# KiCad board oibus-mini-CCC_PANEL.kicad_pcb (continued)
## Routing (per net, layer and track width the routed paths; a pad name or vN(x,y) marks a point on that pad's centre or on a via; arc(x,y) is an arc through that point) (continued)
Net-(D3-Pad2): length 76.9
  Top w0.2: R3#2.2 46.08,8.72 D3#2.2 ; R3#4.2 83.08,8.72 D3#3.2 ; R3#3.2 120.08,8.72 D3#4.2 ; R3#6.2 157.07,8.72 D3#6.2 ; R3#5.2 194.07,8.72 D3#5.2 ; R3#8.2 231.07,8.72 D3#8.2 ; R3#7.2 268.07,8.72 D3#7.2 ; R3#10.2 9.07,74.72 D3#9.2 ; R3#14.2 83.08,74.72 D3#12.2 ; R3#9.2 46.08,74.72 D3#11.2 ; R3#13.2 120.08,74.72 D3#10.2 ; R3#12.2 157.07,74.72 D3#14.2 ; R3#11.2 194.07,74.72 D3#13.2 ; R3#16.2 231.07,74.72 D3#16.2 ; R3#15.2 268.07,74.72 D3#15.2 ; R3#24.2 9.07,206.72 D3#23.2 ; R3#30.2 83.08,206.72 D3#28.2 ; R3#21.2 46.08,206.72 D3#27.2 ; R3#29.2 120.08,206.72 D3#26.2 ; R3#28.2 157.07,206.72 D3#30.2 ; R3#18.2 9.07,140.72 D3#17.2 ; R3#23.2 83.08,140.72 D3#20.2 ; R3#17.2 46.08,140.72 D3#19.2 ; R3#22.2 120.08,140.72 D3#18.2 ; R3#20.2 157.07,140.72 D3#22.2 ; R3#19.2 194.07,140.72 D3#21.2 ; R3#26.2 231.07,140.72 D3#25.2 ; R3#25.2 268.07,140.72 D3#24.2 ; R3#27.2 194.07,206.72 D3#29.2 ; R3#32.2 231.07,206.72 D3#32.2 ; R3#31.2 268.07,206.72 D3#31.2 ; D3.2 9.07,8.72 R3.2
Net-(D4-Pad1): length 45.6
  Top w0.2: R8#2.1 D4#2.1 ; R8#3.1 D4#3.1 ; R8#4.1 D4#4.1 ; R8#6.1 D4#6.1 ; R8#5.1 D4#5.1 ; R8#7.1 D4#7.1 ; R8#8.1 D4#8.1 ; R8#9.1 D4#9.1 ; R8#13.1 D4#13.1 ; R8#12.1 D4#12.1 ; R8#11.1 D4#11.1 ; R8#10.1 D4#10.1 ; R8#14.1 D4#14.1 ; R8#15.1 D4#15.1 ; R8#16.1 D4#16.1 ; R8#23.1 D4#23.1 ; R8#29.1 D4#29.1 ; R8#28.1 D4#28.1 ; R8#27.1 D4#27.1 ; R8#26.1 D4#26.1 ; R8#17.1 D4#17.1 ; R8#21.1 D4#21.1 ; R8#20.1 D4#20.1 ; R8#19.1 D4#19.1 ; R8#18.1 D4#18.1 ; R8#22.1 D4#22.1 ; R8#24.1 D4#24.1 ; R8#25.1 D4#25.1 ; R8#30.1 D4#30.1 ; R8#31.1 D4#31.1 ; R8#32.1 D4#32.1 ; R8.1 D4.1
Net-(D5-Pad2): length 60.8
  Top w0.2: R9#2.2 D5#2.2 ; R9#3.2 D5#3.2 ; R9#4.2 D5#4.2 ; R9#6.2 D5#6.2 ; R9#5.2 D5#5.2 ; R9#7.2 D5#7.2 ; R9#8.2 D5#8.2 ; R9#9.2 D5#9.2 ; R9#13.2 D5#13.2 ; R9#12.2 D5#12.2 ; R9#11.2 D5#11.2 ; R9#10.2 D5#10.2 ; R9#14.2 D5#14.2 ; R9#16.2 D5#16.2 ; R9#15.2 D5#15.2 ; R9#23.2 D5#23.2 ; R9#29.2 D5#29.2 ; R9#28.2 D5#28.2 ; R9#27.2 D5#27.2 ; R9#26.2 D5#26.2 ; R9#17.2 D5#17.2 ; R9#21.2 D5#21.2 ; R9#20.2 D5#20.2 ; R9#19.2 D5#19.2 ; R9#18.2 D5#18.2 ; R9#22.2 D5#22.2 ; R9#25.2 D5#25.2 ; R9#24.2 D5#24.2 ; R9#30.2 D5#30.2 ; R9#31.2 D5#31.2 ; R9#32.2 D5#32.2 ; R9.2 D5.2
Net-(D7-Pad1): length 67.3
  Top w0.2: D7#2.1 72.8,52.86 72.8,54.82 ; D7#3.1 109.8,52.86 109.8,54.82 ; D7#4.1 146.8,52.86 146.8,54.82 ; D7#5.1 183.8,52.86 183.8,54.82 ; D7#6.1 220.8,52.86 220.8,54.82 ; D7#8.1 257.8,52.86 257.8,54.82 ; D7#7.1 294.8,52.86 294.8,54.82 ; D7#9.1 35.8,118.86 35.8,120.82 ; D7#11.1 109.8,118.86 109.8,120.82 ; D7#13.1 72.8,118.86 72.8,120.82 ; D7#12.1 146.8,118.86 146.8,120.82 ; D7#14.1 183.8,118.86 183.8,120.82 ; D7#10.1 220.8,118.86 220.8,120.82 ; D7#16.1 257.8,118.86 257.8,120.82 ; D7#15.1 294.8,118.86 294.8,120.82 ; D7#23.1 35.8,250.86 35.8,252.82 ; D7#27.1 109.8,250.86 109.8,252.82 ; D7#29.1 72.8,250.86 72.8,252.82 ; D7#28.1 146.8,250.86 146.8,252.82 ; D7#30.1 183.8,250.86 183.8,252.82 ; D7#17.1 35.8,184.86 35.8,186.82 ; D7#19.1 109.8,184.86 109.8,186.82 ; D7#21.1 72.8,184.86 72.8,186.82 ; D7#20.1 146.8,184.86 146.8,186.82 ; D7#22.1 183.8,184.86 183.8,186.82 ; D7#18.1 220.8,184.86 220.8,186.82 ; D7#25.1 257.8,184.86 257.8,186.82 ; D7#24.1 294.8,184.86 294.8,186.82 ; D7#26.1 220.8,250.86 220.8,252.82 ; D7#32.1 257.8,250.86 257.8,252.82 ; D7#31.1 294.8,250.86 294.8,252.82 ; D7.1 35.8,52.86 35.8,54.82
Net-(D7-Pad2): length 67.3
  Top w0.2: D7#2.2 71.4,52.86 R16#2.2 ; D7#3.2 108.4,52.86 R16#3.2 ; D7#4.2 145.4,52.86 R16#4.2 ; D7#5.2 182.4,52.86 R16#5.2 ; D7#6.2 219.4,52.86 R16#6.2 ; D7#8.2 256.4,52.86 R16#8.2 ; D7#7.2 293.4,52.86 R16#7.2 ; D7#9.2 34.4,118.86 R16#9.2 ; D7#11.2 108.4,118.86 R16#11.2 ; D7#13.2 71.4,118.86 R16#13.2 ; D7#12.2 145.4,118.86 R16#12.2 ; D7#14.2 182.4,118.86 R16#14.2 ; D7#10.2 219.4,118.86 R16#10.2 ; D7#16.2 256.4,118.86 R16#16.2 ; D7#15.2 293.4,118.86 R16#15.2 ; D7#23.2 34.4,250.86 R16#24.2 ; D7#27.2 108.4,250.86 R16#27.2 ; D7#29.2 71.4,250.86 R16#29.2 ; D7#30.2 182.4,250.86 R16#30.2 ; D7#28.2 145.4,250.86 R16#28.2 ; D7#17.2 34.4,184.86 R16#17.2 ; D7#19.2 108.4,184.86 R16#19.2 ; D7#21.2 71.4,184.86 R16#21.2 ; D7#20.2 145.4,184.86 R16#20.2 ; D7#22.2 182.4,184.86 R16#22.2 ; D7#18.2 219.4,184.86 R16#18.2 ; D7#25.2 256.4,184.86 R16#25.2 ; D7#24.2 293.4,184.86 R16#23.2 ; D7#26.2 219.4,250.86 R16#26.2 ; D7#32.2 256.4,250.86 R16#32.2 ; D7#31.2 293.4,250.86 R16#31.2 ; R16.2 34.4,52.86 D7.2
Net-(D7-Pad3): length 72.4
  Top w0.2: R15#2.2 71.3,47.72 D7#2.3 ; R15#3.2 108.3,47.72 D7#3.3 ; R15#4.2 145.3,47.72 D7#4.3 ; R15#5.2 182.3,47.72 D7#5.3 ; R15#6.2 219.3,47.72 D7#6.3 ; R15#8.2 256.3,47.72 D7#8.3 ; R15#7.2 293.3,47.72 D7#7.3 ; R15#9.2 34.3,113.72 D7#9.3 ; R15#11.2 108.3,113.72 D7#11.3 ; R15#13.2 71.3,113.72 D7#13.3 ; R15#12.2 145.3,113.72 D7#12.3 ; R15#14.2 182.3,113.72 D7#14.3 ; R15#10.2 219.3,113.72 D7#10.3 ; R15#16.2 256.3,113.72 D7#16.3 ; R15#15.2 293.3,113.72 D7#15.3 ; R15#24.2 34.3,245.72 D7#23.3 ; R15#27.2 108.3,245.72 D7#27.3 ; R15#29.2 71.3,245.72 D7#29.3 ; R15#30.2 182.3,245.72 D7#30.3 ; R15#28.2 145.3,245.72 D7#28.3 ; R15#17.2 34.3,179.72 D7#17.3 ; R15#19.2 108.3,179.72 D7#19.3 ; R15#21.2 71.3,179.72 D7#21.3 ; R15#20.2 145.3,179.72 D7#20.3 ; R15#22.2 182.3,179.72 D7#22.3 ; R15#18.2 219.3,179.72 D7#18.3 ; R15#25.2 256.3,179.72 D7#25.3 ; R15#23.2 293.3,179.72 D7#24.3 ; R15#26.2 219.3,245.72 D7#26.3 ; R15#32.2 256.3,245.72 D7#32.3 ; R15#31.2 293.3,245.72 D7#31.3 ; R15.2 34.3,47.72 D7.3
Net-(FB1-Pad2): length 68.9
  Top w0.2: U2#2.14 46.6,34.01 FB1#2.2 ; U2#3.14 83.6,34.01 FB1#3.2 ; U2#4.14 120.6,34.01 FB1#4.2 ; U2#6.14 157.6,34.01 FB1#6.2 ; U2#5.14 194.6,34.01 FB1#5.2 ; U2#7.14 231.6,34.01 FB1#7.2 ; U2#8.14 268.6,34.01 FB1#8.2 ; U2#9.14 9.6,100.01 FB1#9.2 ; U2#13.14 83.6,100.01 FB1#12.2 ; U2#12.14 46.6,100.01 FB1#13.2 ; U2#11.14 120.6,100.01 FB1#11.2 ; U2#10.14 157.6,100.01 FB1#10.2 ; U2#14.14 194.6,100.01 FB1#14.2 ; U2#16.14 268.6,100.01 FB1#16.2 ; U2#15.14 231.6,100.01 FB1#15.2 ; U2#23.14 9.6,232.01 FB1#24.2 ; U2#29.14 83.6,232.01 FB1#28.2 ; U2#28.14 46.6,232.01 FB1#29.2 ; U2#27.14 120.6,232.01 FB1#27.2 ; U2#26.14 157.6,232.01 FB1#26.2 ; U2#17.14 9.6,166.01 FB1#17.2 ; U2#21.14 83.6,166.01 FB1#20.2 ; U2#20.14 46.6,166.01 FB1#21.2 ; U2#19.14 120.6,166.01 FB1#19.2 ; U2#18.14 157.6,166.01 FB1#18.2 ; U2#22.14 194.6,166.01 FB1#22.2 ; U2#25.14 268.6,166.01 FB1#25.2 ; U2#24.14 231.6,166.01 FB1#23.2 ; U2#30.14 194.6,232.01 FB1#30.2 ; U2#31.14 231.6,232.01 FB1#31.2 ; U2#32.14 268.6,232.01 FB1#32.2 ; U2.14 9.6,34.01 FB1.2
Net-(FB2-Pad2): length 68
  Top w0.2: FB2#2.2 U2#2.13 ; FB2#3.2 U2#3.13 ; FB2#4.2 U2#4.13 ; FB2#6.2 U2#6.13 ; FB2#5.2 U2#5.13 ; FB2#8.2 U2#7.13 ; FB2#7.2 U2#8.13 ; FB2#9.2 U2#9.13 ; FB2#11.2 U2#13.13 ; FB2#12.2 U2#12.13 ; FB2#10.2 U2#11.13 ; FB2#14.2 U2#10.13 ; FB2#13.2 U2#14.13 ; FB2#15.2 U2#16.13 ; FB2#16.2 U2#15.13 ; FB2#23.2 U2#23.13 ; FB2#27.2 U2#29.13 ; FB2#28.2 U2#28.13 ; FB2#26.2 U2#27.13 ; FB2#30.2 U2#26.13 ; FB2#17.2 U2#17.13 ; FB2#19.2 U2#21.13 ; FB2#20.2 U2#20.13 ; FB2#18.2 U2#19.13 ; FB2#22.2 U2#18.13 ; FB2#21.2 U2#22.13 ; FB2#24.2 U2#25.13 ; FB2#25.2 U2#24.13 ; FB2#29.2 U2#30.13 ; FB2#32.2 U2#31.13 ; FB2#31.2 U2#32.13 ; FB2.2 U2.13
Net-(J3-Pad1): length 70.8
  Top w0.8: J3#2.1 R21#2.1 ; J3#3.1 R21#3.1 ; J3#4.1 R21#4.1 ; J3#5.1 R21#5.1 ; J3#6.1 R21#6.1 ; J3#8.1 R21#8.1 ; J3#7.1 R21#7.1 ; J3#9.1 R21#9.1 ; J3#11.1 R21#11.1 ; J3#13.1 R21#13.1 ; J3#12.1 R21#12.1 ; J3#14.1 R21#14.1 ; J3#10.1 R21#10.1 ; J3#16.1 R21#16.1 ; J3#15.1 R21#15.1 ; J3#23.1 R21#23.1 ; J3#27.1 R21#27.1 ; J3#29.1 R21#29.1 ; J3#28.1 R21#28.1 ; J3#30.1 R21#30.1 ; J3#17.1 R21#17.1 ; J3#19.1 R21#19.1 ; J3#21.1 R21#21.1 ; J3#20.1 R21#20.1 ; J3#22.1 R21#22.1 ; J3#18.1 R21#18.1 ; J3#25.1 R21#25.1 ; J3#24.1 R21#24.1 ; J3#26.1 R21#26.1 ; J3#32.1 R21#32.1 ; J3#31.1 R21#31.1 ; J3.1 R21.1
Net-(J4-Pad1): length 124.4
  Top w0.2: v2(66.14,50.64) 66,50.5 U3#2.29 ; v2(103.14,50.64) 103,50.5 U3#3.29 ; v2(140.14,50.64) 140,50.5 U3#4.29 ; v2(177.14,50.64) 177,50.5 U3#6.29 ; v2(214.14,50.64) 214,50.5 U3#5.29 ; v2(251.14,50.64) 251,50.5 U3#8.29 ; v2(288.14,50.64) 288,50.5 U3#7.29 ; v2(103.14,116.64) 103,116.5 U3#11.29 ; v2(29.14,116.64) 29,116.5 U3#9.29 ; v2(66.14,116.64) 66,116.5 U3#12.29 ; v2(177.14,116.64) 177,116.5 U3#14.29 ; v2(140.14,116.64) 140,116.5 U3#10.29 ; v2(214.14,116.64) 214,116.5 U3#13.29 ; v2(251.14,116.64) 251,116.5 U3#16.29 ; v2(288.14,116.64) 288,116.5 U3#15.29 ; v2(103.14,248.64) 103,248.5 U3#27.29 ; v2(29.14,248.64) 29,248.5 U3#23.29 ; v2(66.14,248.64) 66,248.5 U3#28.29 ; v2(177.14,248.64) 177,248.5 U3#30.29 ; v2(140.14,248.64) 140,248.5 U3#26.29 ; v2(103.14,182.64) 103,182.5 U3#19.29 ; v2(29.14,182.64) 29,182.5 U3#17.29 ; v2(66.14,182.64) 66,182.5 U3#20.29 ; v2(177.14,182.64) 177,182.5 U3#22.29 ; v2(140.14,182.64) 140,182.5 U3#18.29 ; v2(214.14,182.64) 214,182.5 U3#21.29 ; v2(251.14,182.64) 251,182.5 U3#25.29 ; v2(288.14,182.64) 288,182.5 U3#24.29 ; v2(214.14,248.64) 214,248.5 U3#29.29 ; v2(251.14,248.64) 251,248.5 U3#32.29 ; v2(288.14,248.64) 288,248.5 U3#31.29 ; U3.29 29,50.5 v2(29.14,50.64)
  Bottom w0.2: v2(66.14,50.64) 66.14,51.59 66.15,51.61 NFC#2.1 ; v2(103.14,50.64) 103.14,51.59 103.15,51.61 NFC#3.1 ; v2(140.14,50.64) 140.14,51.59 140.15,51.61 NFC#4.1 ; v2(177.14,50.64) 177.14,51.59 177.15,51.61 NFC#5.1 ; v2(214.14,50.64) 214.14,51.59 214.15,51.61 NFC#6.1 ; v2(251.14,50.64) 251.14,51.59 251.15,51.61 NFC#8.1 ; v2(288.14,50.64) 288.14,51.59 288.15,51.61 NFC#7.1 ; v2(103.14,116.64) 103.14,117.59 103.15,117.61 NFC#11.1 ; v2(29.14,116.64) 29.14,117.59 29.15,117.61 NFC#9.1 ; v2(66.14,116.64) 66.14,117.59 66.15,117.61 NFC#13.1 ; v2(177.14,116.64) 177.14,117.59 177.15,117.61 NFC#14.1 ; v2(140.14,116.64) 140.14,117.59 140.15,117.61 NFC#12.1 ; v2(214.14,116.64) 214.14,117.59 214.15,117.61 NFC#10.1 ; v2(251.14,116.64) 251.14,117.59 251.15,117.61 NFC#16.1 ; v2(288.14,116.64) 288.14,117.59 288.15,117.61 NFC#15.1 ; v2(103.14,248.64) 103.14,249.59 103.15,249.61 NFC#27.1 ; v2(29.14,248.64) 29.14,249.59 29.15,249.61 NFC#24.1 ; v2(66.14,248.64) 66.14,249.59 66.15,249.61 NFC#29.1 ; v2(177.14,248.64) 177.14,249.59 177.15,249.61 NFC#30.1 ; v2(140.14,248.64) 140.14,249.59 140.15,249.61 NFC#28.1 ; v2(103.14,182.64) 103.14,183.59 103.15,183.61 NFC#19.1 ; v2(29.14,182.64) 29.14,183.59 29.15,183.61 NFC#17.1 ; v2(66.14,182.64) 66.14,183.59 66.15,183.61 NFC#21.1 ; v2(177.14,182.64) 177.14,183.59 177.15,183.61 NFC#22.1 ; v2(140.14,182.64) 140.14,183.59 140.15,183.61 NFC#20.1 ; v2(214.14,182.64) 214.14,183.59 214.15,183.61 NFC#18.1 ; v2(251.14,182.64) 251.14,183.59 251.15,183.61 NFC#25.1 ; v2(288.14,182.64) 288.14,183.59 288.15,183.61 NFC#23.1 ; v2(214.14,248.64) 214.14,249.59 214.15,249.61 NFC#26.1 ; v2(251.14,248.64) 251.14,249.59 251.15,249.61 NFC#32.1 ; v2(288.14,248.64) 288.14,249.59 288.15,249.61 NFC#31.1 ; v2(29.14,50.64) 29.14,51.59 29.15,51.61 NFC.1
Net-(J4-Pad2): length 137.2
  Top w0.2: U3#2.28 65,50.81 65,50.76 v2(64.85,50.61) ; U3#3.28 102,50.81 102,50.76 v2(101.85,50.61) ; U3#4.28 139,50.81 139,50.76 v2(138.85,50.61) ; U3#6.28 176,50.81 176,50.76 v2(175.85,50.61) ; U3#5.28 213,50.81 213,50.76 v2(212.85,50.61) ; U3#8.28 250,50.81 250,50.76 v2(249.85,50.61) ; U3#7.28 287,50.81 287,50.76 v2(286.85,50.61) ; U3#11.28 102,116.81 102,116.76 v2(101.85,116.61) ; U3#9.28 28,116.81 28,116.76 v2(27.85,116.61) ; U3#12.28 65,116.81 65,116.76 v2(64.85,116.61) ; U3#14.28 176,116.81 176,116.76 v2(175.85,116.61) ; U3#10.28 139,116.81 139,116.76 v2(138.85,116.61) ; U3#13.28 213,116.81 213,116.76 v2(212.85,116.61) ; U3#16.28 250,116.81 250,116.76 v2(249.85,116.61) ; U3#15.28 287,116.81 287,116.76 v2(286.85,116.61) ; U3#27.28 102,248.81 102,248.76 v2(101.85,248.61) ; U3#23.28 28,248.81 28,248.76 v2(27.85,248.61) ; U3#28.28 65,248.81 65,248.76 v2(64.85,248.61) ; U3#30.28 176,248.81 176,248.76 v2(175.85,248.61) ; U3#26.28 139,248.81 139,248.76 v2(138.85,248.61) ; U3#19.28 102,182.81 102,182.76 v2(101.85,182.61) ; U3#17.28 28,182.81 28,182.76 v2(27.85,182.61) ; U3#20.28 65,182.81 65,182.76 v2(64.85,182.61) ; U3#22.28 176,182.81 176,182.76 v2(175.85,182.61) ; U3#18.28 139,182.81 139,182.76 v2(138.85,182.61) ; U3#21.28 213,182.81 213,182.76 v2(212.85,182.61) ; U3#25.28 250,182.81 250,182.76 v2(249.85,182.61) ; U3#24.28 287,182.81 287,182.76 v2(286.85,182.61) ; U3#29.28 213,248.81 213,248.76 v2(212.85,248.61) ; U3#32.28 250,248.81 250,248.76 v2(249.85,248.61) ; U3#31.28 287,248.81 287,248.76 v2(286.85,248.61) ; v2(27.85,50.61) 28,50.76 28,50.81 U3.28
  Bottom w0.2: v2(64.85,50.61) NFC#2.2 ; v2(101.85,50.61) NFC#3.2 ; v2(138.85,50.61) NFC#4.2 ; v2(175.85,50.61) NFC#5.2 ; v2(212.85,50.61) NFC#6.2 ; v2(249.85,50.61) NFC#8.2 ; NFC#7.2 v2(286.85,50.61) ; v2(101.85,116.61) NFC#11.2 ; v2(27.85,116.61) NFC#9.2 ; v2(64.85,116.61) NFC#13.2 ; v2(138.85,116.61) NFC#12.2 ; v2(175.85,116.61) NFC#14.2 ; NFC#10.2 v2(212.85,116.61) ; v2(249.85,116.61) NFC#16.2 ; NFC#15.2 v2(286.85,116.61) ; v2(101.85,248.61) NFC#27.2 ; v2(27.85,248.61) NFC#24.2 ; v2(138.85,248.61) NFC#28.2 ; v2(64.85,248.61) NFC#29.2 ; v2(175.85,248.61) NFC#30.2 ; v2(101.85,182.61) NFC#19.2 ; v2(27.85,182.61) NFC#17.2 ; v2(64.85,182.61) NFC#21.2 ; v2(138.85,182.61) NFC#20.2 ; v2(175.85,182.61) NFC#22.2 ; NFC#18.2 v2(212.85,182.61) ; v2(249.85,182.61) NFC#25.2 ; NFC#23.2 v2(286.85,182.61) ; v2(212.85,248.61) NFC#26.2 ; NFC#31.2 v2(286.85,248.61) ; v2(249.85,248.61) NFC#32.2 ; v2(27.85,50.61) NFC.2
Net-(L1-Pad2): length 106.3
  Top w0.5: L1#2.2 57,22.26 U5#2.1 ; L1#3.2 94,22.26 U5#3.1 ; L1#4.2 131,22.26 U5#4.1 ; L1#6.2 168,22.26 U5#5.1 ; L1#5.2 205,22.26 U5#6.1 ; L1#8.2 242,22.26 U5#8.1 ; L1#7.2 279,22.26 U5#7.1 ; L1#9.2 20,88.26 U5#9.1 ; L1#11.2 94,88.26 U5#11.1 ; L1#12.2 57,88.26 U5#13.1 ; L1#10.2 131,88.26 U5#12.1 ; L1#14.2 168,88.26 U5#14.1 ; L1#13.2 205,88.26 U5#10.1 ; L1#16.2 242,88.26 U5#16.1 ; L1#15.2 279,88.26 U5#15.1 ; L1#23.2 20,220.26 U5#24.1 ; L1#27.2 94,220.26 U5#27.1 ; L1#28.2 57,220.26 U5#29.1 ; L1#26.2 131,220.26 U5#28.1 ; L1#30.2 168,220.26 U5#30.1 ; L1#17.2 20,154.26 U5#17.1 ; L1#19.2 94,154.26 U5#19.1 ; L1#20.2 57,154.26 U5#21.1 ; L1#18.2 131,154.26 U5#20.1 ; L1#22.2 168,154.26 U5#22.1 ; L1#21.2 205,154.26 U5#18.1 ; L1#25.2 242,154.26 U5#25.1 ; L1#24.2 279,154.26 U5#23.1 ; L1#29.2 205,220.26 U5#26.1 ; L1#32.2 242,220.26 U5#32.1 ; L1#31.2 279,220.26 U5#31.1 ; L1.2 20,22.26 U5.1
Net-(Q2-Pad1): length 57.8
  Top w0.2: Q2#2.1 48.95,2.51 50.05,2.51 ; Q2#3.1 85.95,2.51 87.05,2.51 ; Q2#4.1 122.95,2.51 124.05,2.51 ; Q2#5.1 159.95,2.51 161.05,2.51 ; Q2#6.1 196.95,2.51 198.05,2.51 ; Q2#8.1 233.95,2.51 235.05,2.51 ; Q2#7.1 270.95,2.51 272.05,2.51 ; Q2#11.1 85.95,68.51 87.05,68.51 ; Q2#9.1 11.95,68.51 13.05,68.51 ; Q2#13.1 48.95,68.51 50.05,68.51 ; Q2#12.1 122.95,68.51 124.05,68.51 ; Q2#14.1 159.95,68.51 161.05,68.51 ; Q2#10.1 196.95,68.51 198.05,68.51 ; Q2#16.1 233.95,68.51 235.05,68.51 ; Q2#15.1 270.95,68.51 272.05,68.51 ; Q2#27.1 85.95,200.51 87.05,200.51 ; Q2#23.1 11.95,200.51 13.05,200.51 ; Q2#28.1 122.95,200.51 124.05,200.51 ; Q2#29.1 48.95,200.51 50.05,200.51 ; Q2#30.1 159.95,200.51 161.05,200.51 ; Q2#19.1 85.95,134.51 87.05,134.51 ; Q2#17.1 11.95,134.51 13.05,134.51 ; Q2#21.1 48.95,134.51 50.05,134.51 ; Q2#20.1 122.95,134.51 124.05,134.51 ; Q2#22.1 159.95,134.51 161.05,134.51 ; Q2#18.1 196.95,134.51 198.05,134.51 ; Q2#25.1 233.95,134.51 235.05,134.51 ; Q2#24.1 270.95,134.51 272.05,134.51 ; Q2#26.1 196.95,200.51 198.05,200.51 ; Q2#31.1 270.95,200.51 272.05,200.51 ; Q2#32.1 233.95,200.51 235.05,200.51 ; Q2.1 11.95,2.51 13.05,2.51
Net-(Q2-Pad3): length 287.2
  Top w0.6: v4(54.97,1.67) 55.92,1.67 Q3#2.3 ; v4(49.4,0.81) 49.2,1.01 Q2#2.3 ; v4(91.97,1.67) 92.92,1.67 Q3#3.3 ; v4(86.4,0.81) 86.2,1.01 Q2#3.3 ; v4(128.97,1.67) 129.92,1.67 Q3#4.3 ; v4(123.4,0.81) 123.2,1.01 Q2#4.3 ; v4(165.97,1.67) 166.92,1.67 Q3#5.3 ; v4(160.4,0.81) 160.2,1.01 Q2#5.3 ; v4(202.97,1.67) 203.92,1.67 Q3#6.3 ; v4(197.4,0.81) 197.2,1.01 Q2#6.3 ; v4(239.97,1.67) 240.92,1.67 Q3#8.3 ; v4(234.4,0.81) 234.2,1.01 Q2#8.3 ; v4(276.97,1.67) 277.92,1.67 Q3#7.3 ; v4(271.4,0.81) 271.2,1.01 Q2#7.3 ; v4(91.97,67.67) 92.92,67.67 Q3#11.3 ; v4(86.4,66.81) 86.2,67.01 Q2#11.3 ; v4(17.97,67.67) 18.92,67.67 Q3#9.3 ; v4(12.4,66.81) 12.2,67.01 Q2#9.3 ; v4(54.97,67.67) 55.92,67.67 Q3#13.3 ; v4(49.4,66.81) 49.2,67.01 Q2#13.3 ; v4(128.97,67.67) 129.92,67.67 Q3#12.3 ; v4(123.4,66.81) 123.2,67.01 Q2#12.3 ; v4(165.97,67.67) 166.92,67.67 Q3#14.3 ; v4(160.4,66.81) 160.2,67.01 Q2#14.3 ; v4(202.97,67.67) 203.92,67.67 Q3#10.3 ; v4(197.4,66.81) 197.2,67.01 Q2#10.3 ; v4(239.97,67.67) 240.92,67.67 Q3#16.3 ; v4(234.4,66.81) 234.2,67.01 Q2#16.3 ; v4(276.97,67.67) 277.92,67.67 Q3#15.3 ; v4(271.4,66.81) 271.2,67.01 Q2#15.3 ; v4(91.97,199.67) 92.92,199.67 Q3#27.3 ; v4(86.4,198.81) 86.2,199.01 Q2#27.3 ; v4(17.97,199.67) 18.92,199.67 Q3#23.3 ; v4(12.4,198.81) 12.2,199.01 Q2#23.3 ; v4(128.97,199.67) 129.92,199.67 Q3#28.3 ; v4(123.4,198.81) 123.2,199.01 Q2#28.3 ; v4(54.97,199.67) 55.92,199.67 Q3#29.3 ; v4(49.4,198.81) 49.2,199.01 Q2#29.3 ; v4(165.97,199.67) 166.92,199.67 Q3#30.3 ; v4(160.4,198.81) 160.2,199.01 Q2#30.3 ; v4(91.97,133.67) 92.92,133.67 Q3#19.3 ; v4(86.4,132.81) 86.2,133.01 Q2#19.3 ; v4(17.97,133.67) 18.92,133.67 Q3#17.3 ; v4(12.4,132.81) 12.2,133.01 Q2#17.3 ; v4(54.97,133.67) 55.92,133.67 Q3#21.3 ; v4(49.4,132.81) 49.2,133.01 Q2#21.3 ; v4(128.97,133.67) 129.92,133.67 Q3#20.3 ; v4(123.4,132.81) 123.2,133.01 Q2#20.3 ; v4(165.97,133.67) 166.92,133.67 Q3#22.3 ; v4(160.4,132.81) 160.2,133.01 Q2#22.3 ; v4(202.97,133.67) 203.92,133.67 Q3#18.3 ; v4(197.4,132.81) 197.2,133.01 Q2#18.3 ; v4(239.97,133.67) 240.92,133.67 Q3#25.3 ; v4(234.4,132.81) 234.2,133.01 Q2#25.3 ; v4(276.97,133.67) 277.92,133.67 Q3#24.3 ; v4(271.4,132.81) 271.2,133.01 Q2#24.3 ; v4(202.97,199.67) 203.92,199.67 Q3#26.3 ; v4(197.4,198.81) 197.2,199.01 Q2#26.3 ; v4(276.97,199.67) 277.92,199.67 Q3#31.3 ; v4(271.4,198.81) 271.2,199.01 Q2#31.3 ; v4(239.97,199.67) 240.92,199.67 Q3#32.3 ; v4(234.4,198.81) 234.2,199.01 Q2#32.3 ; v4(17.97,1.67) 18.92,1.67 Q3.3 ; v4(12.4,0.81) 12.2,1.01 Q2.3
  Bottom w0.6: v4(49.4,0.81) 54.11,0.81 v4(54.97,1.67) ; v4(86.4,0.81) 91.11,0.81 v4(91.97,1.67) ; v4(123.4,0.81) 128.11,0.81 v4(128.97,1.67) ; v4(160.4,0.81) 165.11,0.81 v4(165.97,1.67) ; v4(197.4,0.81) 202.11,0.81 v4(202.97,1.67) ; v4(234.4,0.81) 239.11,0.81 v4(239.97,1.67) ; v4(271.4,0.81) 276.11,0.81 v4(276.97,1.67) ; v4(86.4,66.81) 91.11,66.81 v4(91.97,67.67) ; v4(12.4,66.81) 17.11,66.81 v4(17.97,67.67) ; v4(49.4,66.81) 54.11,66.81 v4(54.97,67.67) ; v4(123.4,66.81) 128.11,66.81 v4(128.97,67.67) ; v4(160.4,66.81) 165.11,66.81 v4(165.97,67.67) ; v4(197.4,66.81) 202.11,66.81 v4(202.97,67.67) ; v4(234.4,66.81) 239.11,66.81 v4(239.97,67.67) ; v4(271.4,66.81) 276.11,66.81 v4(276.97,67.67) ; v4(86.4,198.81) 91.11,198.81 v4(91.97,199.67) ; v4(12.4,198.81) 17.11,198.81 v4(17.97,199.67) ; v4(123.4,198.81) 128.11,198.81 v4(128.97,199.67) ; v4(49.4,198.81) 54.11,198.81 v4(54.97,199.67) ; v4(160.4,198.81) 165.11,198.81 v4(165.97,199.67) ; v4(86.4,132.81) 91.11,132.81 v4(91.97,133.67) ; v4(12.4,132.81) 17.11,132.81 v4(17.97,133.67) ; v4(49.4,132.81) 54.11,132.81 v4(54.97,133.67) ; v4(123.4,132.81) 128.11,132.81 v4(128.97,133.67) ; v4(160.4,132.81) 165.11,132.81 v4(165.97,133.67) ; v4(197.4,132.81) 202.11,132.81 v4(202.97,133.67) ; v4(234.4,132.81) 239.11,132.81 v4(239.97,133.67) ; v4(271.4,132.81) 276.11,132.81 v4(276.97,133.67) ; v4(197.4,198.81) 202.11,198.81 v4(202.97,199.67) ; v4(271.4,198.81) 276.11,198.81 v4(276.97,199.67) ; v4(234.4,198.81) 239.11,198.81 v4(239.97,199.67) ; v4(12.4,0.81) 17.11,0.81 v4(17.97,1.67)
Net-(Q3-Pad1): length 68.3
  Top w0.2: Q3#2.1 53.8,2.51 51.95,2.51 ; Q3#3.1 90.8,2.51 88.95,2.51 ; Q3#4.1 127.8,2.51 125.95,2.51 ; Q3#5.1 164.8,2.51 162.95,2.51 ; Q3#6.1 201.8,2.51 199.95,2.51 ; Q3#8.1 238.8,2.51 236.95,2.51 ; Q3#7.1 275.8,2.51 273.95,2.51 ; Q3#11.1 90.8,68.51 88.95,68.51 ; Q3#9.1 16.8,68.51 14.95,68.51 ; Q3#13.1 53.8,68.51 51.95,68.51 ; Q3#12.1 127.8,68.51 125.95,68.51 ; Q3#14.1 164.8,68.51 162.95,68.51 ; Q3#10.1 201.8,68.51 199.95,68.51 ; Q3#16.1 238.8,68.51 236.95,68.51 ; Q3#15.1 275.8,68.51 273.95,68.51 ; Q3#27.1 90.8,200.51 88.95,200.51 ; Q3#23.1 16.8,200.51 14.95,200.51 ; Q3#28.1 127.8,200.51 125.95,200.51 ; Q3#29.1 53.8,200.51 51.95,200.51 ; Q3#30.1 164.8,200.51 162.95,200.51 ; Q3#19.1 90.8,134.51 88.95,134.51 ; Q3#17.1 16.8,134.51 14.95,134.51 ; Q3#21.1 53.8,134.51 51.95,134.51 ; Q3#20.1 127.8,134.51 125.95,134.51 ; Q3#22.1 164.8,134.51 162.95,134.51 ; Q3#18.1 201.8,134.51 199.95,134.51 ; Q3#25.1 238.8,134.51 236.95,134.51 ; Q3#24.1 275.8,134.51 273.95,134.51 ; Q3#26.1 201.8,200.51 199.95,200.51 ; Q3#31.1 275.8,200.51 273.95,200.51 ; Q3#32.1 238.8,200.51 236.95,200.51 ; 14.95,2.51 16.8,2.51 Q3.1
Net-(R2-Pad1): length 57.1
  Top w0.4: R2#2.1 53.65,4.82 U4#2.5 ; R2#3.1 90.65,4.82 U4#3.5 ; R2#4.1 127.65,4.82 U4#4.5 ; R2#6.1 164.65,4.82 U4#5.5 ; R2#5.1 201.65,4.82 U4#6.5 ; R2#8.1 238.65,4.82 U4#8.5 ; R2#7.1 275.65,4.82 U4#7.5 ; R2#11.1 90.65,70.82 U4#11.5 ; R2#9.1 16.65,70.82 U4#9.5 ; R2#12.1 53.65,70.82 U4#13.5 ; R2#10.1 127.65,70.82 U4#12.5 ; R2#14.1 164.65,70.82 U4#14.5 ; R2#13.1 201.65,70.82 U4#10.5 ; R2#16.1 238.65,70.82 U4#16.5 ; R2#15.1 275.65,70.82 U4#15.5 ; R2#27.1 90.65,202.82 U4#27.5 ; R2#23.1 16.65,202.82 U4#23.5 ; R2#26.1 127.65,202.82 U4#28.5 ; R2#28.1 53.65,202.82 U4#29.5 ; R2#30.1 164.65,202.82 U4#30.5 ; R2#19.1 90.65,136.82 U4#19.5 ; R2#17.1 16.65,136.82 U4#17.5 ; R2#20.1 53.65,136.82 U4#21.5 ; R2#18.1 127.65,136.82 U4#20.5 ; R2#22.1 164.65,136.82 U4#22.5 ; R2#21.1 201.65,136.82 U4#18.5 ; R2#25.1 238.65,136.82 U4#25.5 ; R2#24.1 275.65,136.82 U4#24.5 ; R2#29.1 201.65,202.82 U4#26.5 ; R2#31.1 275.65,202.82 U4#31.5 ; R2#32.1 238.65,202.82 U4#32.5 ; U4.5 16.65,4.82 R2.1
Net-(R4-Pad2): length 145.8
  Top w0.2: R5#2.1 R4#2.2 50.94,18.95 51.85,19.85 U5#2.4 ; R5#3.1 R4#3.2 87.94,18.95 88.85,19.85 U5#3.4 ; R5#4.1 R4#4.2 124.94,18.95 125.85,19.85 U5#4.4 ; R5#6.1 R4#6.2 161.94,18.95 162.85,19.85 U5#5.4 ; R5#5.1 R4#5.2 198.94,18.95 199.85,19.85 U5#6.4 ; R5#8.1 R4#8.2 235.94,18.95 236.85,19.85 U5#8.4 ; R5#7.1 R4#7.2 272.94,18.95 273.85,19.85 U5#7.4 ; R5#11.1 R4#11.2 87.94,84.95 88.85,85.85 U5#11.4 ; R5#9.1 R4#9.2 13.94,84.95 14.85,85.85 U5#9.4 ; R5#12.1 R4#12.2 50.94,84.95 51.85,85.85 U5#13.4 ; R5#10.1 R4#10.2 124.94,84.95 125.85,85.85 U5#12.4 ; R5#14.1 R4#14.2 161.94,84.95 162.85,85.85 U5#14.4 ; R5#13.1 R4#13.2 198.94,84.95 199.85,85.85 U5#10.4 ; R5#16.1 R4#16.2 235.94,84.95 236.85,85.85 U5#16.4 ; R5#15.1 R4#15.2 272.94,84.95 273.85,85.85 U5#15.4 ; R5#27.1 R4#27.2 87.94,216.95 88.85,217.85 U5#27.4 ; R5#23.1 R4#23.2 13.94,216.95 14.85,217.85 U5#24.4 ; R5#26.1 R4#26.2 124.94,216.95 125.85,217.85 U5#28.4 ; R5#28.1 R4#28.2 50.94,216.95 51.85,217.85 U5#29.4 ; R5#30.1 R4#30.2 161.94,216.95 162.85,217.85 U5#30.4 ; R5#19.1 R4#19.2 87.94,150.95 88.85,151.85 U5#19.4 ; R5#17.1 R4#17.2 13.94,150.95 14.85,151.85 U5#17.4 ; R5#20.1 R4#20.2 50.94,150.95 51.85,151.85 U5#21.4 ; R5#18.1 R4#18.2 124.94,150.95 125.85,151.85 U5#20.4 ; R5#22.1 R4#22.2 161.94,150.95 162.85,151.85 U5#22.4 ; R5#21.1 R4#21.2 198.94,150.95 199.85,151.85 U5#18.4 ; R5#25.1 R4#25.2 235.94,150.95 236.85,151.85 U5#25.4 ; R5#24.1 R4#24.2 272.94,150.95 273.85,151.85 U5#23.4 ; R5#29.1 R4#29.2 198.94,216.95 199.85,217.85 U5#26.4 ; R5#31.1 R4#31.2 272.94,216.95 273.85,217.85 U5#31.4 ; R5#32.1 R4#32.2 235.94,216.95 236.85,217.85 U5#32.4 ; R5.1 R4.2 13.94,18.95 14.85,19.85 U5.4
Net-(R13-Pad2): length 123.8
  Top w0.2: 51,4.71 51,3.98 50.78,3.76 49.31,3.76 R13#2.2 ; 88,4.71 88,3.98 87.78,3.76 86.31,3.76 R13#3.2 ; 125,4.71 125,3.98 124.78,3.76 123.31,3.76 R13#4.2 ; 199,4.71 199,3.98 198.78,3.76 197.31,3.76 R13#6.2 ; 162,4.71 162,3.98 161.78,3.76 160.31,3.76 R13#5.2 ; 273,4.71 273,3.98 272.78,3.76 271.31,3.76 R13#7.2 ; 236,4.71 236,3.98 235.78,3.76 234.31,3.76 R13#8.2 ; 14,70.71 14,69.98 13.78,69.76 12.31,69.76 R13#9.2 ; 125,70.71 125,69.98 124.78,69.76 123.31,69.76 R13#12.2 ; 51,70.71 51,69.98 50.78,69.76 49.31,69.76 R13#13.2 ; 88,70.71 88,69.98 87.78,69.76 86.31,69.76 R13#11.2 ; 199,70.71 199,69.98 198.78,69.76 197.31,69.76 R13#10.2 ; 162,70.71 162,69.98 161.78,69.76 160.31,69.76 R13#14.2 ; 273,70.71 273,69.98 272.78,69.76 271.31,69.76 R13#15.2 ; 236,70.71 236,69.98 235.78,69.76 234.31,69.76 R13#16.2 ; 14,202.71 14,201.98 13.78,201.76 12.31,201.76 R13#23.2 ; 51,202.71 51,201.98 50.78,201.76 49.31,201.76 R13#29.2 ; 125,202.71 125,201.98 124.78,201.76 123.31,201.76 R13#28.2 ; 88,202.71 88,201.98 87.78,201.76 86.31,201.76 R13#27.2 ; 199,202.71 199,201.98 198.78,201.76 197.31,201.76 R13#26.2 ; 14,136.71 14,135.98 13.78,135.76 12.31,135.76 R13#17.2 ; 125,136.71 125,135.98 124.78,135.76 123.31,135.76 R13#20.2 ; 51,136.71 51,135.98 50.78,135.76 49.31,135.76 R13#21.2 ; 88,136.71 88,135.98 87.78,135.76 86.31,135.76 R13#19.2 ; 199,136.71 199,135.98 198.78,135.76 197.31,135.76 R13#18.2 ; 162,136.71 162,135.98 161.78,135.76 160.31,135.76 R13#22.2 ; 273,136.71 273,135.98 272.78,135.76 271.31,135.76 R13#24.2 ; 236,136.71 236,135.98 235.78,135.76 234.31,135.76 R13#25.2 ; 162,202.71 162,201.98 161.78,201.76 160.31,201.76 R13#30.2 ; 273,202.71 273,201.98 272.78,201.76 271.31,201.76 R13#31.2 ; 236,202.71 236,201.98 235.78,201.76 234.31,201.76 R13#32.2 ; R13.2 12.31,3.76 13.78,3.76 14,3.98 14,4.71
Net-(R14-Pad1): length 55
  Top w0.2: R14#2.1 51,1.2 51,2.51 ; R14#3.1 88,1.2 88,2.51 ; R14#4.1 125,1.2 125,2.51 ; R14#6.1 199,1.2 199,2.51 ; R14#5.1 162,1.2 162,2.51 ; R14#7.1 273,1.2 273,2.51 ; R14#8.1 236,1.2 236,2.51 ; R14#9.1 14,67.2 14,68.51 ; R14#12.1 125,67.2 125,68.51 ; R14#13.1 51,67.2 51,68.51 ; R14#11.1 88,67.2 88,68.51 ; R14#10.1 199,67.2 199,68.51 ; R14#14.1 162,67.2 162,68.51 ; R14#15.1 273,67.2 273,68.51 ; R14#16.1 236,67.2 236,68.51 ; R14#23.1 14,199.2 14,200.51 ; R14#29.1 51,199.2 51,200.51 ; R14#28.1 125,199.2 125,200.51 ; R14#27.1 88,199.2 88,200.51 ; R14#26.1 199,199.2 199,200.51 ; R14#17.1 14,133.2 14,134.51 ; R14#20.1 125,133.2 125,134.51 ; R14#21.1 51,133.2 51,134.51 ; R14#19.1 88,133.2 88,134.51 ; R14#18.1 199,133.2 199,134.51 ; R14#22.1 162,133.2 162,134.51 ; R14#24.1 273,133.2 273,134.51 ; R14#25.1 236,133.2 236,134.51 ; R14#30.1 162,199.2 162,200.51 ; R14#31.1 273,199.2 273,200.51 ; R14#32.1 236,199.2 236,200.51 ; R14.1 14,1.2 14,2.51

## Copper pours and planes (outline as drawn; the poured copper is in the pictures)
GND on Top: 277.3,203.11 276.7,203.11 276.7,200.21 276.4,199.41 276.4,198.01 283.2,198.21 283.2,205.41 277.3,205.41
GND on Top: 240.3,203.11 239.7,203.11 239.7,200.21 239.4,199.41 239.4,198.01 246.2,198.21 246.2,205.41 240.3,205.41
GND on Top: 203.3,203.11 202.7,203.11 202.7,200.21 202.4,199.41 202.4,198.01 209.2,198.21 209.2,205.41 203.3,205.41
GND on Top: 277.3,137.11 276.7,137.11 276.7,134.21 276.4,133.41 276.4,132.01 283.2,132.21 283.2,139.41 277.3,139.41
GND on Top: 92.3,203.11 91.7,203.11 91.7,200.21 91.4,199.41 91.4,198.01 98.2,198.21 98.2,205.41 92.3,205.41
GND on Top: 129.3,203.11 128.7,203.11 128.7,200.21 128.4,199.41 128.4,198.01 135.2,198.21 135.2,205.41 129.3,205.41
GND on Top: 240.3,137.11 239.7,137.11 239.7,134.21 239.4,133.41 239.4,132.01 246.2,132.21 246.2,139.41 240.3,139.41
GND on Top: 203.3,137.11 202.7,137.11 202.7,134.21 202.4,133.41 202.4,132.01 209.2,132.21 209.2,139.41 203.3,139.41
GND on Top: 166.3,203.11 165.7,203.11 165.7,200.21 165.4,199.41 165.4,198.01 172.2,198.21 172.2,205.41 166.3,205.41
GND on Top: 18.3,203.11 17.7,203.11 17.7,200.21 17.4,199.41 17.4,198.01 24.2,198.21 24.2,205.41 18.3,205.41
GND on Top: 55.3,203.11 54.7,203.11 54.7,200.21 54.4,199.41 54.4,198.01 61.2,198.21 61.2,205.41 55.3,205.41
GND on Top: 92.3,137.11 91.7,137.11 91.7,134.21 91.4,133.41 91.4,132.01 98.2,132.21 98.2,139.41 92.3,139.41
GND on Top: 129.3,137.11 128.7,137.11 128.7,134.21 128.4,133.41 128.4,132.01 135.2,132.21 135.2,139.41 129.3,139.41
GND on Top: 166.3,137.11 165.7,137.11 165.7,134.21 165.4,133.41 165.4,132.01 172.2,132.21 172.2,139.41 166.3,139.41
GND on Top: 18.3,137.11 17.7,137.11 17.7,134.21 17.4,133.41 17.4,132.01 24.2,132.21 24.2,139.41 18.3,139.41
GND on Top: 55.3,137.11 54.7,137.11 54.7,134.21 54.4,133.41 54.4,132.01 61.2,132.21 61.2,139.41 55.3,139.41
GND on Top: 277.3,71.11 276.7,71.11 276.7,68.21 276.4,67.41 276.4,66.01 283.2,66.21 283.2,73.41 277.3,73.41
GND on Top: 240.3,71.11 239.7,71.11 239.7,68.21 239.4,67.41 239.4,66.01 246.2,66.21 246.2,73.41 240.3,73.41
GND on Top: 203.3,71.11 202.7,71.11 202.7,68.21 202.4,67.41 202.4,66.01 209.2,66.21 209.2,73.41 203.3,73.41
GND on Top: 92.3,71.11 91.7,71.11 91.7,68.21 91.4,67.41 91.4,66.01 98.2,66.21 98.2,73.41 92.3,73.41
GND on Top: 129.3,71.11 128.7,71.11 128.7,68.21 128.4,67.41 128.4,66.01 135.2,66.21 135.2,73.41 129.3,73.41
GND on Top: 166.3,71.11 165.7,71.11 165.7,68.21 165.4,67.41 165.4,66.01 172.2,66.21 172.2,73.41 166.3,73.41
GND on Top: 18.3,71.11 17.7,71.11 17.7,68.21 17.4,67.41 17.4,66.01 24.2,66.21 24.2,73.41 18.3,73.41
GND on Top: 55.3,71.11 54.7,71.11 54.7,68.21 54.4,67.41 54.4,66.01 61.2,66.21 61.2,73.41 55.3,73.41
GND on Top: 277.3,5.11 276.7,5.11 276.7,2.21 276.4,1.41 276.4,0.01 283.2,0.21 283.2,7.41 277.3,7.41
GND on Top: 240.3,5.11 239.7,5.11 239.7,2.21 239.4,1.41 239.4,0.01 246.2,0.21 246.2,7.41 240.3,7.41
GND on Top: 166.3,5.11 165.7,5.11 165.7,2.21 165.4,1.41 165.4,0.01 172.2,0.21 172.2,7.41 166.3,7.41
GND on Top: 203.3,5.11 202.7,5.11 202.7,2.21 202.4,1.41 202.4,0.01 209.2,0.21 209.2,7.41 203.3,7.41
GND on Top: 92.3,5.11 91.7,5.11 91.7,2.21 91.4,1.41 91.4,0.01 98.2,0.21 98.2,7.41 92.3,7.41
GND on Top: 129.3,5.11 128.7,5.11 128.7,2.21 128.4,1.41 128.4,0.01 135.2,0.21 135.2,7.41 129.3,7.41
GND on Top: 55.3,5.11 54.7,5.11 54.7,2.21 54.4,1.41 54.4,0.01 61.2,0.21 61.2,7.41 55.3,7.41
GND on Top: 18.3,5.11 17.7,5.11 17.7,2.21 17.4,1.41 17.4,0.01 24.2,0.21 24.2,7.41 18.3,7.41
GND on Bottom: 218.6,259.01 261.6,259.01 261.6,192.81 218.6,193.01
GND on Bottom: 255.6,259.01 298.6,259.01 298.6,192.81 255.6,193.01
GND on Bottom: 107.6,259.01 150.6,259.01 150.6,192.81 107.6,193.01
GND on Bottom: 144.6,259.01 187.6,259.01 187.6,192.81 144.6,193.01
GND on Bottom: 181.6,259.01 224.6,259.01 224.6,192.81 181.6,193.01
GND on Bottom: 218.6,193.01 261.6,193.01 261.6,126.81 218.6,127.01
GND on Bottom: 255.6,193.01 298.6,193.01 298.6,126.81 255.6,127.01
GND on Bottom: 70.6,259.01 113.6,259.01 113.6,192.81 70.6,193.01
GND on Bottom: 107.6,193.01 150.6,193.01 150.6,126.81 107.6,127.01
GND on Bottom: 144.6,193.01 187.6,193.01 187.6,126.81 144.6,127.01
GND on Bottom: -3.4,259.01 39.6,259.01 39.6,192.81 -3.4,193.01
GND on Bottom: 33.6,259.01 76.6,259.01 76.6,192.81 33.6,193.01
GND on Bottom: 181.6,193.01 224.6,193.01 224.6,126.81 181.6,127.01
GND on Bottom: 70.6,193.01 113.6,193.01 113.6,126.81 70.6,127.01
GND on Bottom: 33.6,193.01 76.6,193.01 76.6,126.81 33.6,127.01
GND on Bottom: -3.4,193.01 39.6,193.01 39.6,126.81 -3.4,127.01
GND on Bottom: 218.6,127.01 261.6,127.01 261.6,60.81 218.6,61.01
GND on Bottom: 255.6,127.01 298.6,127.01 298.6,60.81 255.6,61.01
GND on Bottom: 107.6,127.01 150.6,127.01 150.6,60.81 107.6,61.01
GND on Bottom: 144.6,127.01 187.6,127.01 187.6,60.81 144.6,61.01
GND on Bottom: 181.6,127.01 224.6,127.01 224.6,60.81 181.6,61.01
GND on Bottom: 70.6,127.01 113.6,127.01 113.6,60.81 70.6,61.01
GND on Bottom: 33.6,127.01 76.6,127.01 76.6,60.81 33.6,61.01
GND on Bottom: -3.4,127.01 39.6,127.01 39.6,60.81 -3.4,61.01
GND on Bottom: 218.6,61.01 261.6,61.01 261.6,-5.19 218.6,-4.99
GND on Bottom: 255.6,61.01 298.6,61.01 298.6,-5.19 255.6,-4.99
GND on Bottom: 181.6,61.01 224.6,61.01 224.6,-5.19 181.6,-4.99
GND on Bottom: 144.6,61.01 187.6,61.01 187.6,-5.19 144.6,-4.99
GND on Bottom: 107.6,61.01 150.6,61.01 150.6,-5.19 107.6,-4.99
GND on Bottom: 70.6,61.01 113.6,61.01 113.6,-5.19 70.6,-4.99
GND on Bottom: 33.6,61.01 76.6,61.01 76.6,-5.19 33.6,-4.99
GND on Bottom: -3.4,61.01 39.6,61.01 39.6,-5.19 -3.4,-4.99

## Text on the board
B.SilkS: Rev 2, 11.2019, RT / For research purposes only, / not approved for resale. | Li-Ion Battery / 3 - 4.2 V | (I2C) | UART | Made with KiCad by octanis.ch | climatecitycup.org | Air Quality Sensor Board | UAVCAN | CHG/ / PROG | SCL | SDA | 5V | GND | TX | RX | BAT+ | BAT- | THE CLIMATE CITY CUP
F.SilkS: PWR | BOOT | Licensed under / CERN OHL v1.2
